# Altium PCB NMR_System_v2.PcbDoc (part 1 of 3) (continued)
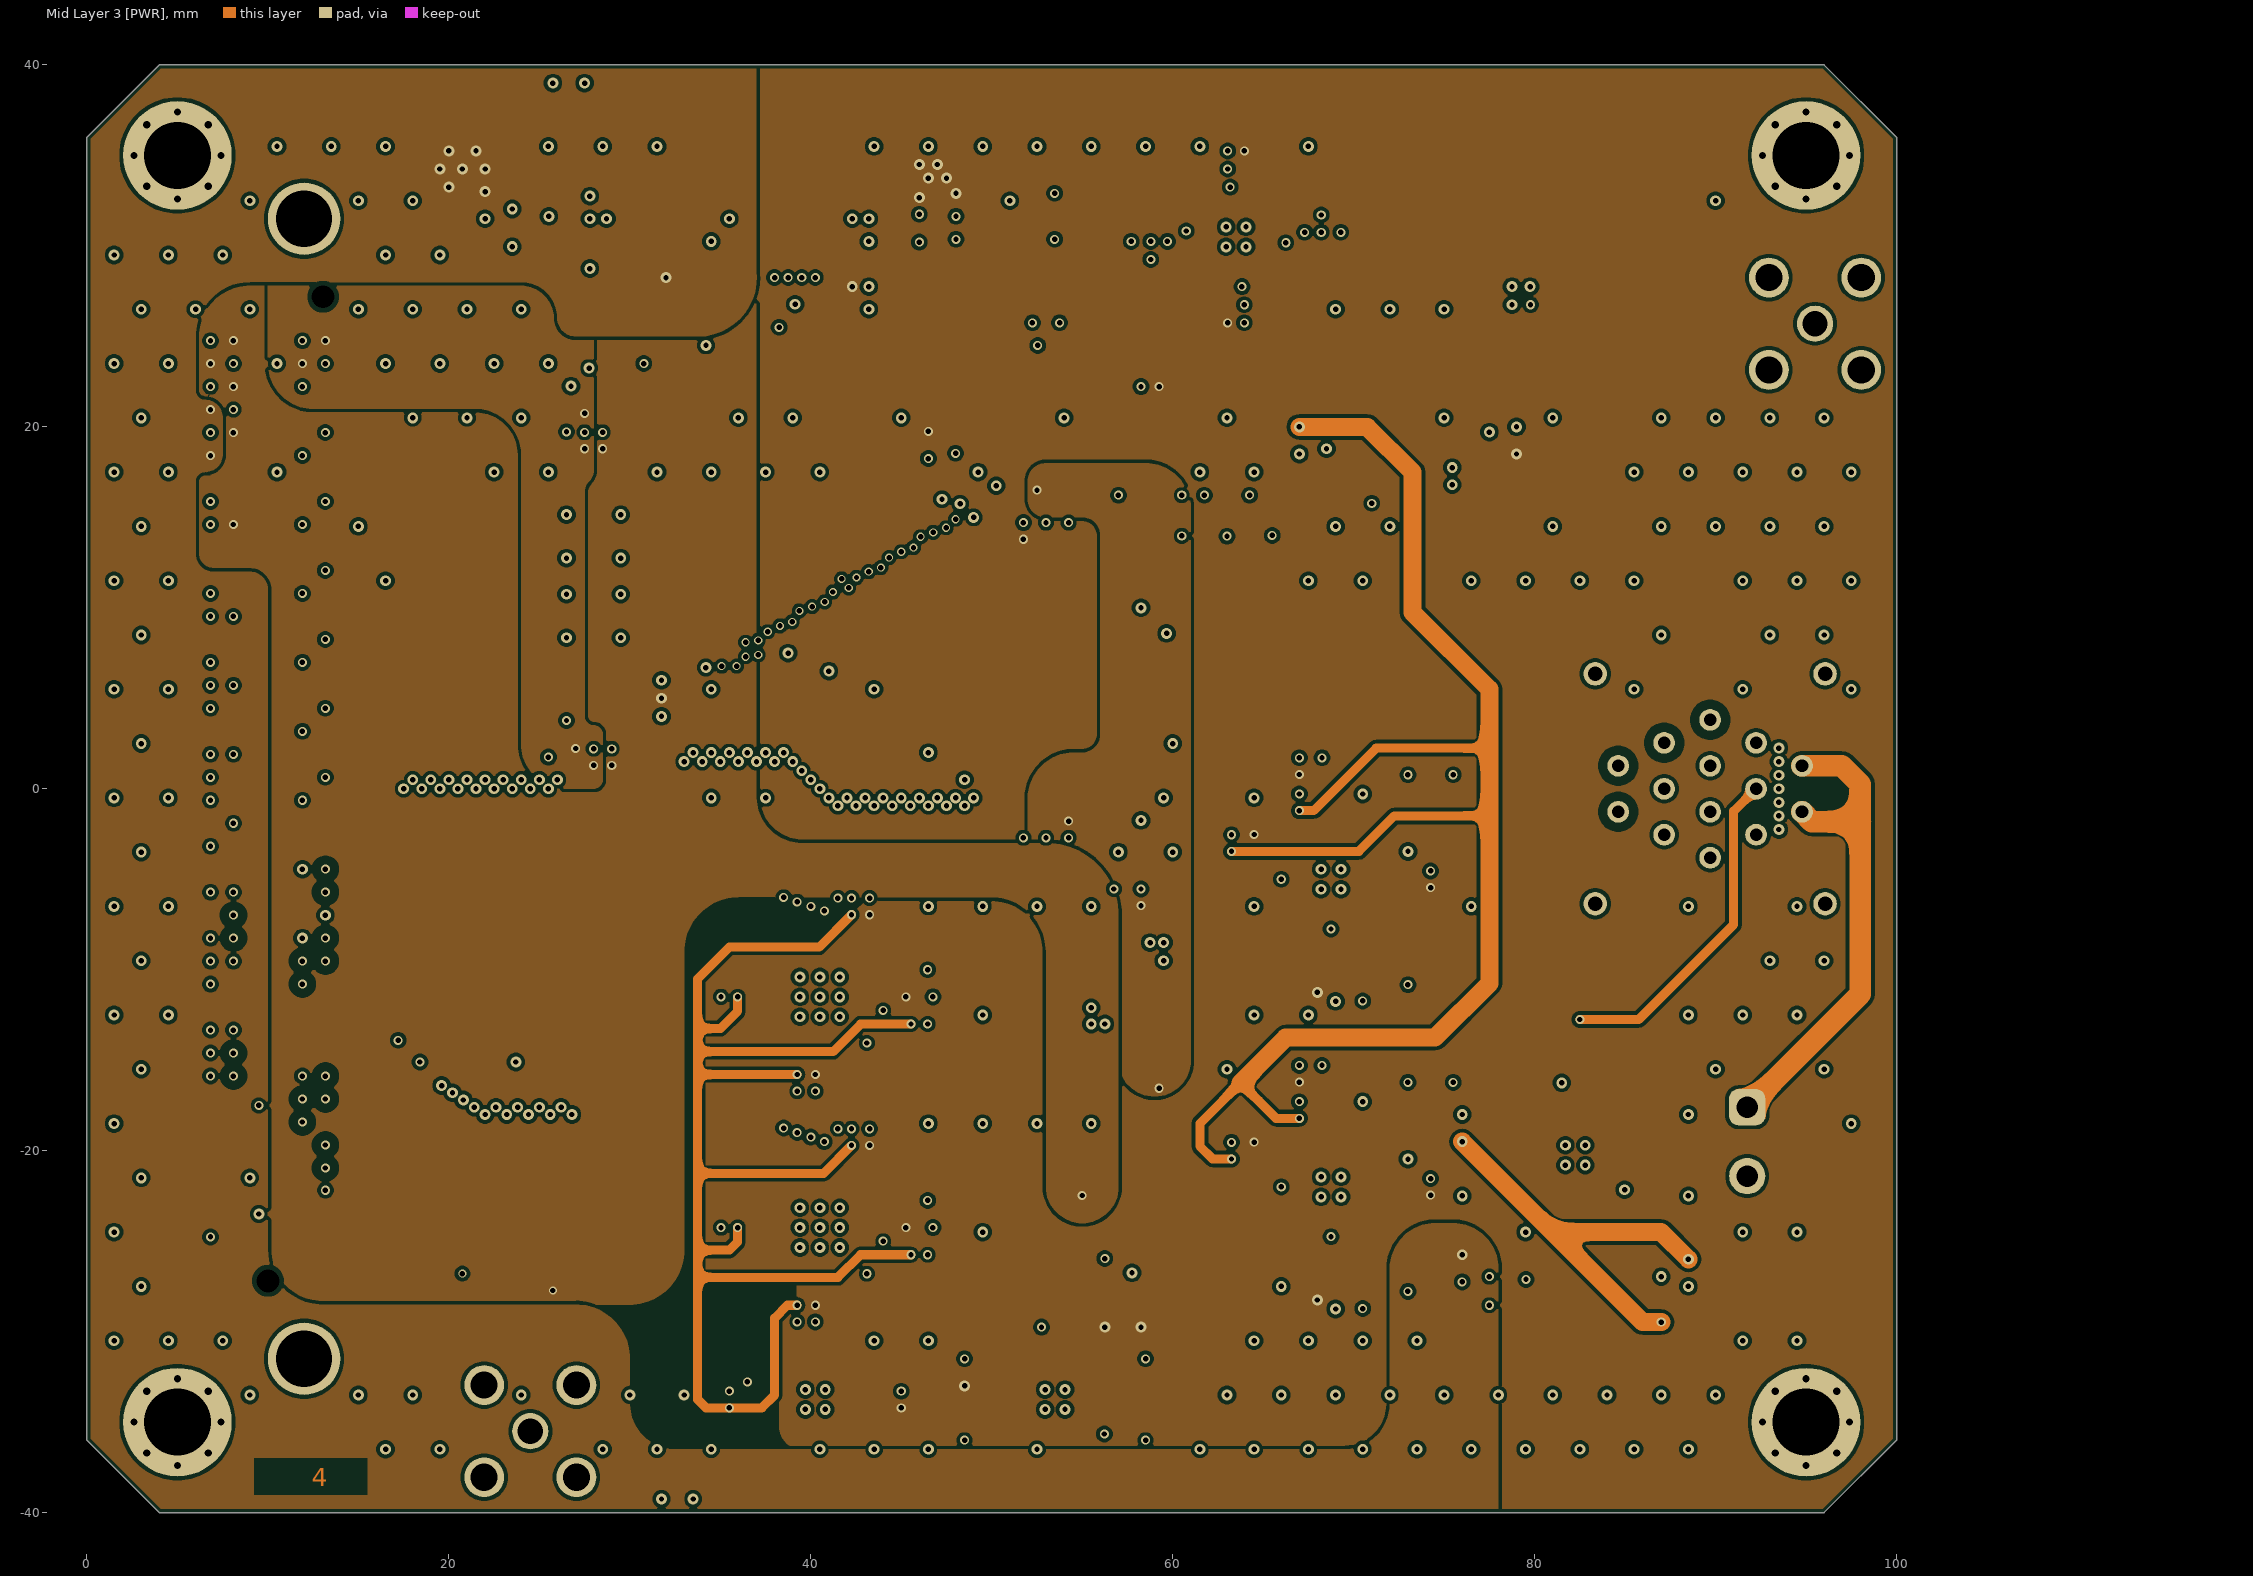
[diagram p4: Mid Layer 3 [PWR]]
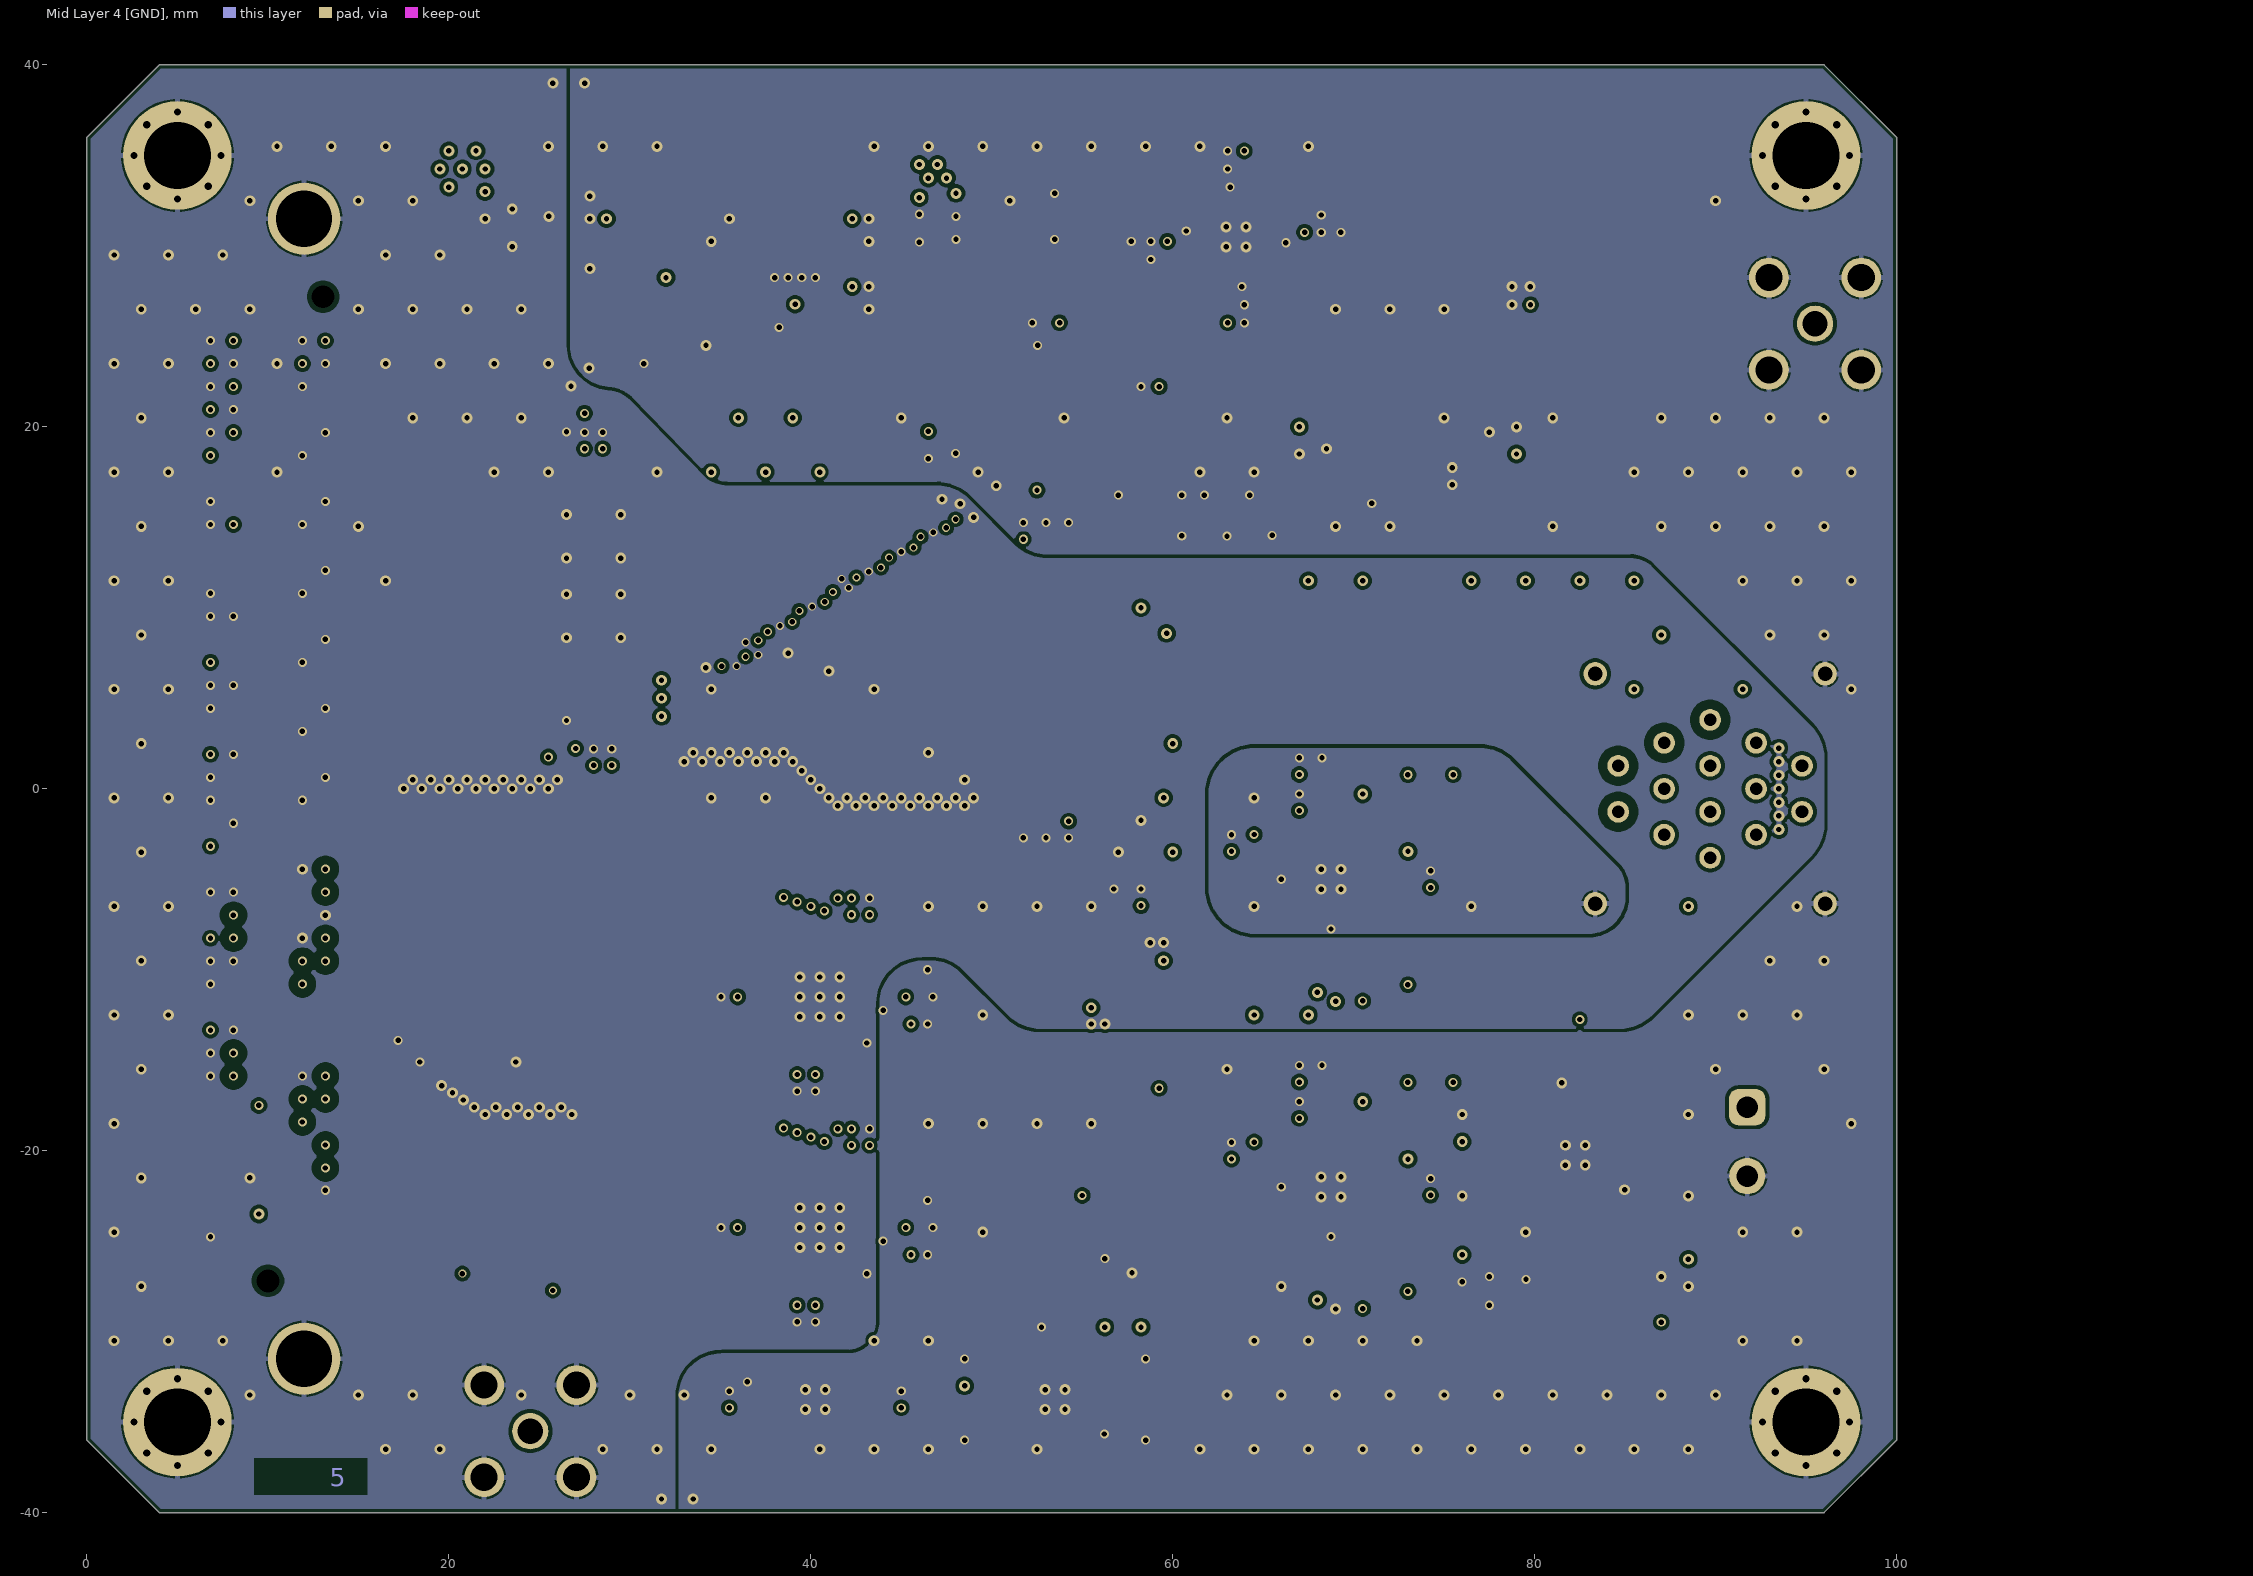
[diagram p5: Mid Layer 4 [GND]]
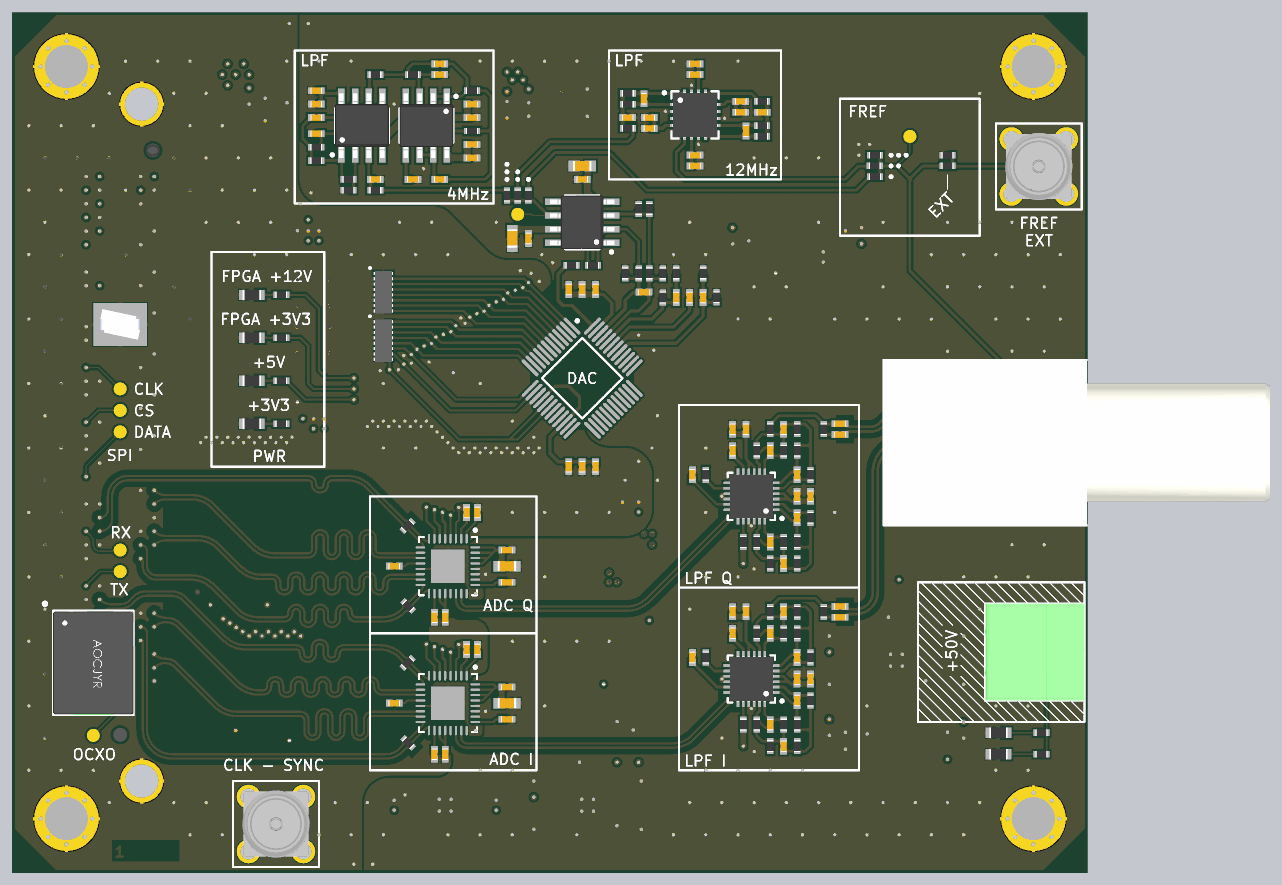
[diagram p8: 3D render of the assembled board from above, using the file's embedded part models]
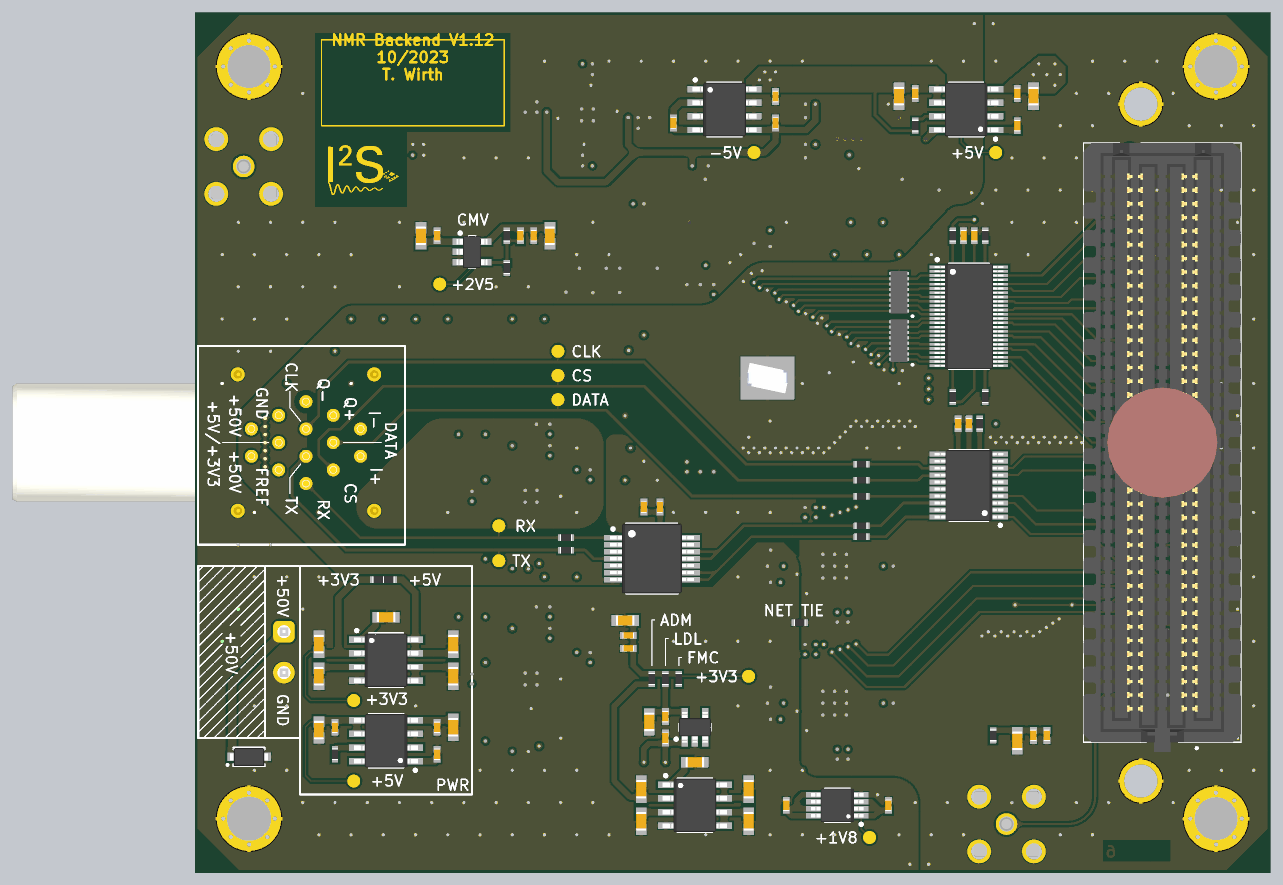
[diagram p9: 3D render of the assembled board from below, using the file's embedded part models]

## Layer stack, top to bottom
Top Solder: solder mask 0.0127, Solder Resist, Dk 3.8
Top Layer [SIG]: signal copper 0.035
Dielectric 1: prepreg 0.1, 2313, Dk 4.05
Mid Layer 1 [GND]: signal copper 0.0175
Core 1: core 0.565, FR-4, Dk 4.5
Mid Layer 2 [SIG]: signal copper 0.0175
Dielectric 2: prepreg 0.127, 2116, Dk 4.25
Mid Layer 3 [PWR]: signal copper 0.0175
Core 2: core 0.565, FR-4, Dk 4.5
Mid Layer 4 [GND]: signal copper 0.0175
Dielectric 3: prepreg 0.1, 2313, Dk 4.05
Bottom Layer [SIG]: signal copper 0.035
Bottom Solder: solder mask 0.0127, Solder Resist, Dk 3.8

## Board outline
4,-40 0,-36 0,36 4,40 96,40 100,36 100,-36 96,-40

## Design rules (kind name [scope] priority, off if disabled: settings)
BoardOutlineClearance [All] p1: gap=0.2 ignorepadtopadclearanceinfootprint=FALSE
Clearance Clearance_Diff [(InNetClass('ADC_A_IN') OR InNetClass('ADC_OUT') OR InNetClass('LNA_SIG'))] p1: gap=0.102 ignorepadtopadclearanceinfootprint=TRUE except(0.09: Arc-Arc Arc-Track Arc-SMDPad Track-Track Track-SMDPad; 0.127: SMDPad-SMDPad THPad-Via Via-Fill Via-Region Via-Text; 0.2: Arc-Via Track-Via; 0.254: Arc-Hole Track-Hole SMDPad-Via SMDPad-Hole THPad-Hole Via-Via Via-Hole Fill-Hole Poly-Hole Region-Hole Text-Hole; 0.33: Arc-THPad Track-THPad SMDPad-THPad THPad-THPad; 0.5: Arc-Poly Track-Poly SMDPad-Poly THPad-Poly Via-Poly Fill-Poly Poly-Poly)
Clearance [All] p2: gap=0.102 ignorepadtopadclearanceinfootprint=TRUE except(0.09: Arc-Arc Arc-Track Arc-SMDPad Track-Track Track-SMDPad; 0.127: SMDPad-SMDPad Via-Fill Via-Region Via-Text; 0.2: Arc-Via Arc-Poly Track-Via Track-Poly SMDPad-Poly THPad-Poly Via-Poly Fill-Poly Poly-Poly; 0.254: Arc-Hole Track-Hole SMDPad-Via SMDPad-Hole THPad-Via THPad-Hole Via-Via Via-Hole Fill-Hole Poly-Hole Region-Hole Text-Hole; 0.33: Arc-THPad Track-THPad SMDPad-THPad THPad-THPad)
ComponentClearance [InComponent('P1')] p1: gap=0 collisioncheckmode=3 verticalgap=2540 showdistances=FALSE
DiffPairsRouting [All] p1: maxlimit=0.25 minlimit=0.09 mostfreqgap=0.2 toplayer_minwidth=0.09 toplayer_maxwidth=0.75 toplayer_prefwidth=0.2 midlayer1_minwidth=0.09 midlayer1_maxwidth=0.75 midlayer1_prefwidth=0.2 midlayer2_minwidth=0.09 midlayer2_maxwidth=0.75 midlayer2_prefwidth=0.2 midlayer3_minwidth=0.09 midlayer3_maxwidth=0.75 midlayer3_prefwidth=0.2 midlayer4_minwidth=0.09 midlayer4_maxwidth=0.75 midlayer4_prefwidth=0.2 bottomlayer_minwidth=0.09 bottomlayer_maxwidth=0.75 bottomlayer_prefwidth=0.2 maxuncoupledlength=12.7
Height [All] p1: minheight=0 maxheight=1816.048 prefheight=12.7
HoleSize [All] p1: absolutevalues=TRUE maxlimit=6.3 minlimit=0.2 maxpercent=80.000 minpercent=20.000
HoleToHoleClearance [All] p1: gap=0.254 allowstackedmicrovias=FALSE
MatchedLengths MatchedLengths__ADC_OUT [InNetClass('ADC_OUT')] p1: tolerance=25.4 checknetsindiffpair=FALSE checkdiffpairvsdiffpair=TRUE checkxsignals=TRUE checkothers=TRUE usedelayunits=TRUE delaytolerance=10.000000
MatchedLengths MatchedLengths_ADC_IN [InNetClass('ADC_A_IN')] p2: tolerance=2 checknetsindiffpair=FALSE checkdiffpairvsdiffpair=TRUE checkxsignals=TRUE checkothers=TRUE usedelayunits=TRUE delaytolerance=10.000000
MinimumAnnularRing [All] p1: minimumring=0.075
MinimumSolderMaskSliver [All] p1: minsoldermaskwidth=0.13
PasteMaskExpansion [All] p1: expansion=0 percent=-10.000000
PlaneClearance PlaneClearance_Diff [(InNetClass('ADC_A_IN') OR InNetClass('ADC_OUT') OR InNetClass('LNA_SIG'))] p1: clearance=1
PlaneClearance [All] p2: clearance=0.102
PlaneConnect PlaneConnectPowerPads [InPadClass('PowerPads')] p1: planeconnectstyle=Direct reliefexpansion=0.508 reliefentries=4 reliefconductorwidth=0.254 reliefairgap=0.254
PlaneConnect [All] p2: planeconnectstyle=Direct reliefexpansion=0.3 reliefentries=4 reliefconductorwidth=0.102 reliefairgap=0.102
PolygonConnect PolygonConnectPowerPads [All vs (InPadClass('PowerPads'))] p1: connectstyle=Direct reliefconductorwidth=0.254 reliefentries=4 polygonreliefangle="90 Angle" airgapwidth=0.254
PolygonConnect [All] p2: thpad.connectstyle=Relief thpad.reliefconductorwidth=0.3 thpad.reliefentries=4 thpad.polygonreliefangle="90 Angle" thpad.airgapwidth=0.102 smdpad.connectstyle=Relief smdpad.reliefconductorwidth=0.3 smdpad.reliefentries=4 smdpad.polygonreliefangle="90 Angle" smdpad.airgapwidth=0.102 via.connectstyle=Direct via.reliefconductorwidth=0.102 via.reliefentries=4 via.polygonreliefangle="90 Angle" via.airgapwidth=0.102
RoomDefinition "TRX Protection Circuit" [InComponentClass('TRX Protection Circuit')] p1: confinementstyle=ConfineIn formatcopy=TRUE lockcomponents=FALSE outline 52.521,-14.579 52.521,-7.021 55.971,-7.021 55.971,-4.771 59.029,-4.771 59.029,-7.021 62.479,-7.021 62.479,-8.121 66.679,-8.121 66.679,-10.729 62.479,-10.729 62.479,-14.579
RoomDefinition "PDN Backend" [InComponentClass('PDN Backend')] p2: confinementstyle=ConfineIn formatcopy=TRUE lockcomponents=FALSE outline 20.971,30.471 20.971,34.029 24.271,34.029 24.271,34.079 46.771,34.079 46.771,34.259 54.729,34.259 54.729,30.979 56.279,30.979 56.279,21.029 80.029,21.029 80.029,-14.641 100.104,-14.641 100.104,-24.359 97.454,-24.359 97.454,-30.529 59.529,-30.529 59.529,-37.029 47.471,-37.029 47.471,-36.029 36.821,-36.029 36.821,-34.979 34.721,-34.979 34.721,27.741 24.271,27.741 24.271,28.271 22.721,28.271 22.721,30.471
RoomDefinition LPF-DAC-2 [InComponentClass('LPF-DAC-2')] p3: confinementstyle=ConfineIn formatcopy=TRUE lockcomponents=FALSE outline 56.021,29.471 56.021,31.029 56.071,31.029 56.071,33.229 60.146,33.229 60.146,33.379 62.271,33.379 62.271,36.029 64.729,36.029 64.729,33.379 66.379,33.379 66.379,32.529 68.979,32.529 68.979,32.479 70.929,32.479 70.929,31.529 70.979,31.529 70.979,29.971 70.929,29.971 70.929,27.771 66.379,27.771 66.379,27.621 64.729,27.621 64.729,24.971 62.271,24.971 62.271,27.621 60.146,27.621 60.146,28.471 58.021,28.471 58.021,28.521 56.071,28.521 56.071,29.471
RoomDefinition LPF-DAC-1 [InComponentClass('LPF-DAC-1')] p4: confinementstyle=ConfineIn formatcopy=TRUE lockcomponents=FALSE outline 27.021,27.971 27.021,33.529 32.571,33.529 32.571,34.979 38.521,34.979 38.521,36.029 40.979,36.029 40.979,33.479 43.929,33.479 43.929,32.279 43.979,32.279 43.979,25.721 41.759,25.721 41.759,25.521 40.979,25.521 40.979,23.721 34.929,23.721 34.929,22.771 30.071,22.771 30.071,23.771 30.071,25.521 27.071,25.521 27.071,27.971
RoomDefinition LPF-DAC [InComponentClass('LPF-DAC')] p5: confinementstyle=ConfineIn formatcopy=TRUE lockcomponents=FALSE outline 45.271,21.821 45.271,24.179 79.046,24.179 79.046,26.479 79.071,26.479 79.071,27.479 81.429,27.479 81.429,24.021 48.729,24.021 48.729,21.821 45.271,21.821
RoomDefinition DAC [InComponentClass('DAC')] p6: confinementstyle=ConfineIn formatcopy=TRUE lockcomponents=FALSE outline 32.296,6.221 32.296,17.279 45.471,17.279 45.471,20.779 49.021,20.779 49.021,23.529 51.221,23.529 51.221,26.779 54.779,26.779 54.779,23.529 56.979,23.529 56.979,22.929 59.979,22.929 59.979,16.929 64.979,16.929 64.979,14.729 65.029,14.729 65.029,14.704 66.229,14.704 66.229,12.346 65.029,12.346 65.029,12.271 61.385,12.271 61.385,-2.385 55.029,-2.385 55.029,-3.479 50.971,-3.479 50.971,-2.385 44.615,-2.385 44.615,6.221
RoomDefinition ConnectorFront [InComponentClass('ConnectorFront')] p7: confinementstyle=ConfineIn formatcopy=TRUE lockcomponents=FALSE outline 80.75,-8 117.25,-8 117.25,30.25 80.75,30.25
RoomDefinition ConnectorFMC [InComponentClass('ConnectorFMC')] p8: confinementstyle=ConfineIn formatcopy=TRUE lockcomponents=FALSE outline 1.856,-29.583 1.856,28.695 18.144,28.695 18.144,-31.146 28.854,-31.146 28.854,-39.854 20.146,-39.854 1.856,-39.854
RoomDefinition LPF-ADC2 [InComponentClass('LPF-ADC2')] p9: confinementstyle=ConfineIn formatcopy=TRUE lockcomponents=FALSE outline 62.471,-21.229 62.471,-18.771 66.221,-18.771 66.221,-14.521 75.771,-14.521 75.771,-14.471 78.229,-14.471 78.229,-17.029 75.029,-17.029 75.029,-23.229 74.979,-23.229 74.979,-25.179 73.779,-25.179 73.779,-25.229 73.729,-25.229 73.729,-29.429 72.529,-29.429 72.529,-29.479 70.971,-29.479 70.971,-29.429 69.771,-29.429 69.771,-27.479 69.721,-27.479 69.721,-27.429 67.271,-27.429 67.271,-24.879 65.871,-24.879 65.871,-21.229
RoomDefinition ADC2 [InComponentClass('ADC2')] p10: confinementstyle=ConfineIn formatcopy=TRUE lockcomponents=FALSE outline 34.271,-25.029 34.271,-23.471 35.401,-23.471 35.401,-19.151 40.971,-19.151 40.971,-18.021 43.779,-18.021 43.779,-20.396 44.254,-20.396 44.254,-21.971 47.229,-21.971 47.229,-23.221 47.779,-23.221 47.779,-25.279 47.229,-25.279 47.229,-26.529 44.254,-26.529 44.254,-28.004 41.279,-28.004 41.279,-30.229 38.471,-30.229 38.471,-29.299 35.451,-29.299 35.451,-25.029
RoomDefinition ADC1 [InComponentClass('ADC1')] p11: confinementstyle=ConfineIn formatcopy=TRUE lockcomponents=FALSE outline 34.271,-12.279 34.271,-10.721 35.401,-10.721 35.401,-6.401 40.971,-6.401 40.971,-5.271 43.779,-5.271 43.779,-7.646 44.254,-7.646 44.254,-9.221 47.229,-9.221 47.229,-10.471 47.779,-10.471 47.779,-12.529 47.229,-12.529 47.229,-13.779 44.254,-13.779 44.254,-15.254 41.279,-15.254 41.279,-17.479 38.471,-17.479 38.471,-16.549 35.451,-16.549 35.451,-12.279
RoomDefinition LPF-ADC1 [InComponentClass('LPF-ADC1')] p12: confinementstyle=ConfineIn formatcopy=TRUE lockcomponents=FALSE outline 62.471,-4.229 62.471,-1.771 66.221,-1.771 66.221,2.479 75.521,2.479 75.521,2.529 77.979,2.529 77.979,-0.029 75.029,-0.029 75.029,-6.229 74.979,-6.229 74.979,-8.179 73.779,-8.179 73.779,-8.229 73.729,-8.229 73.729,-12.429 72.529,-12.429 72.529,-12.479 70.971,-12.479 70.971,-12.429 69.771,-12.429 69.771,-10.479 69.721,-10.479 69.721,-10.429 67.271,-10.429 67.271,-7.879 65.871,-7.879 65.871,-4.229
RoomDefinition OCXO [InComponentClass('OCXO')] p13: confinementstyle=ConfineIn formatcopy=TRUE lockcomponents=FALSE outline 2.25,-29.75 26.5,-29.75 26.5,-14.25 2.25,-14.25
RoutingVias [All] p1: holewidth=0.3 width=0.45 viastyle="Through Hole" minholewidth=0.15 minwidth=0.45 maxholewidth=6.3 maxwidth=6.55
SilkToSilkClearance [All] p1: silktosilkclearance=0.15
SilkToSolderMaskClearance [IsPad] p1: minsilkscreentomaskgap=0.15 clearancetoexposedcopper=TRUE
SolderMaskExpansion SolderMaskExpansion_Via [IsVia] p1: expansion=0 istentingtop=TRUE
SolderMaskExpansion [All] p2: expansion=0 istentingtop=FALSE
Width [All] p1: maxlimit=1816.048 minlimit=0.09 preferedwidth=0.102
19 further rules are at their usual default settings.

## Classes and differential pairs
net class DAC_FMC_D[0..13]: DAC_FMC_D0 DAC_FMC_D1 DAC_FMC_D2 DAC_FMC_D3 DAC_FMC_D4 DAC_FMC_D5 DAC_FMC_D6 DAC_FMC_D7 DAC_FMC_D8 DAC_FMC_D9 DAC_FMC_D10 DAC_FMC_D11 DAC_FMC_D12 DAC_FMC_D13
component class ConnectorFMC: J1 J2
component class "PDN Frontend": C94 C95 C96 C97 C98 C99 C100 C101 C102 C103 R76 R77 R78 U16 U17
net class ADC_OUT: ADC1_CLK_N ADC1_CLK_P ADC2_CLK_N ADC2_CLK_P CNV1_N CNV1_P CNV2_N CNV2_P DCO1_N DCO1_P DCO2_N DCO2_P DOUT1_N DOUT1_P DOUT2_N DOUT2_P
component class "TRX Protection Circuit": C92 C93 R74 R75 U15 U20
differential pair class LNA_SIG_Q: Q
differential pair class LNA_SIG_I: I
channel class ADC: ADC1 ADC2
channel class ADC-Bessel-LPF: LPF-ADC1 LPF-ADC2
net class LNA_SIG: I_N I_P Q_N Q_P
net class DAC_3V3_D[0..13]: DAC_3V3_D0 DAC_3V3_D1 DAC_3V3_D2 DAC_3V3_D3 DAC_3V3_D4 DAC_3V3_D5 DAC_3V3_D6 DAC_3V3_D7 DAC_3V3_D8 DAC_3V3_D9 DAC_3V3_D10 DAC_3V3_D11 DAC_3V3_D12 DAC_3V3_D13
net class ADC_A_IN: ADC_IN_ADC1_N ADC_IN_ADC1_P ADC_IN_ADC2_N ADC_IN_ADC2_P
component class Status: LED1 LED2 LED3 LED4 LED5 LED6 R68 R69 R70 R71 R72 R73 TP1 TP2
component class "PDN Backend": C66 C67 C68 C69 C70 C71 C72 C73 C74 C75 C76 C77 C78 C79 C80 C81 C82 C83 C84 C85 C86 C87 C88 C89 C90 C91 D1 J4 R61 R62 R63 R64 R65 R66 R67 U9 U10 U11 U12 U13 U14
component class OCXO: C1 C2 C3 R1 U1
component class LPF-DAC: R18 R19 R20 R21 R22 R23
component class LPF-DAC-2: C18 C19 C20 C21 C22 C23 C24 C25 C26 C27 C28 C29 R24 R25 R26 R27 R28 R29 U4
component class LPF-DAC-1: C30 C31 C32 C33 C34 C35 C36 C37 C38 C39 C40 C41 C42 R30 R31 R32 R33 R34 R35 R36 R37 R38 U5 U6
component class LPF-ADC2: C44_LPF-ADC2 C45_LPF-ADC2 C46_LPF-ADC2 C47_LPF-ADC2 C48_LPF-ADC2 C49_LPF-ADC2 C50_LPF-ADC2 C51_LPF-ADC2 C52_LPF-ADC2 C53_LPF-ADC2 C54_LPF-ADC2 C55_LPF-ADC2 C56_LPF-ADC2 C57_LPF-ADC2 R44_LPF-ADC2 R45_LPF-ADC2 R46_LPF-ADC2 R47_LPF-ADC2 R48_LPF-ADC2 R49_LPF-ADC2 R50_LPF-ADC2 R51_LPF-ADC2 R52_LPF-ADC2 R53_LPF-ADC2 R54_LPF-ADC2 R55_LPF-ADC2 R56_LPF-ADC2 R57_LPF-ADC2 R58_LPF-ADC2 U7_LPF-ADC2 U10_LPF-ADC2
component class LPF-ADC1: C44_LPF-ADC1 C45_LPF-ADC1 C46_LPF-ADC1 C47_LPF-ADC1 C48_LPF-ADC1 C49_LPF-ADC1 C50_LPF-ADC1 C51_LPF-ADC1 C52_LPF-ADC1 C53_LPF-ADC1 C54_LPF-ADC1 C55_LPF-ADC1 C56_LPF-ADC1 C57_LPF-ADC1 R44_LPF-ADC1 R45_LPF-ADC1 R46_LPF-ADC1 R47_LPF-ADC1 R48_LPF-ADC1 R49_LPF-ADC1 R50_LPF-ADC1 R51_LPF-ADC1 R52_LPF-ADC1 R53_LPF-ADC1 R54_LPF-ADC1 R55_LPF-ADC1 R56_LPF-ADC1 R57_LPF-ADC1 R58_LPF-ADC1 U7_LPF-ADC1 U10_LPF-ADC1
component class DAC: C4 C5 C6 C7 C8 C9 C10 C11 C12 C13 C14 C15 C16 C17 R2 R3 R4 R5 R6 R7 R8 R9 R10 R11 R12 R13 R14 R15 R16 R17 U2 U3
component class ConnectorFront: J3 P1 R40 R41
component class "Buffers & Level Shifters": C104 C105 C106 C107 R79 R80 R81 R82 R83 R84 R85 R86 R87 R88 U18 U19
component class ADC2: C58_ADC2 C59_ADC2 C60_ADC2 C61_ADC2 C62_ADC2 C63_ADC2 C64_ADC2 C65_ADC2 R59_ADC2 R60_ADC2 U8_ADC2 U11_ADC2
component class ADC1: C58_ADC1 C59_ADC1 C60_ADC1 C61_ADC1 C62_ADC1 C63_ADC1 C64_ADC1 C65_ADC1 R59_ADC1 R60_ADC1 U8_ADC1 U11_ADC1
differential pair Q: +Q_P -Q_N
differential pair I: +I_P -I_N
differential pair DOUT2: +DOUT2_P -DOUT2_N
differential pair DOUT1: +DOUT1_P -DOUT1_N
differential pair DCO2: +DCO2_P -DCO2_N
differential pair DCO1: +DCO1_P -DCO1_N
differential pair CNV2: +CNV2_P -CNV2_N
differential pair CNV1: +CNV1_P -CNV1_N
differential pair ADC_IN_ADC2: +ADC_IN_ADC2_P -ADC_IN_ADC2_N
differential pair ADC_IN_ADC1: +ADC_IN_ADC1_P -ADC_IN_ADC1_N
differential pair ADC2_CLK: +ADC2_CLK_P -ADC2_CLK_N
differential pair ADC1_CLK: +ADC1_CLK_P -ADC1_CLK_N
